# Altium PCB acs_drv_v1_0.PcbDoc
Units mm, origin at the board's own origin, x right, y up, seen from the top; angles counter-clockwise.
Board outline 93 x 87 mm, 2 copper layers (Top Layer, Bottom Layer), stack 1.57 mm thick; 149 components, 105 nets, 467 pads, 333 vias.
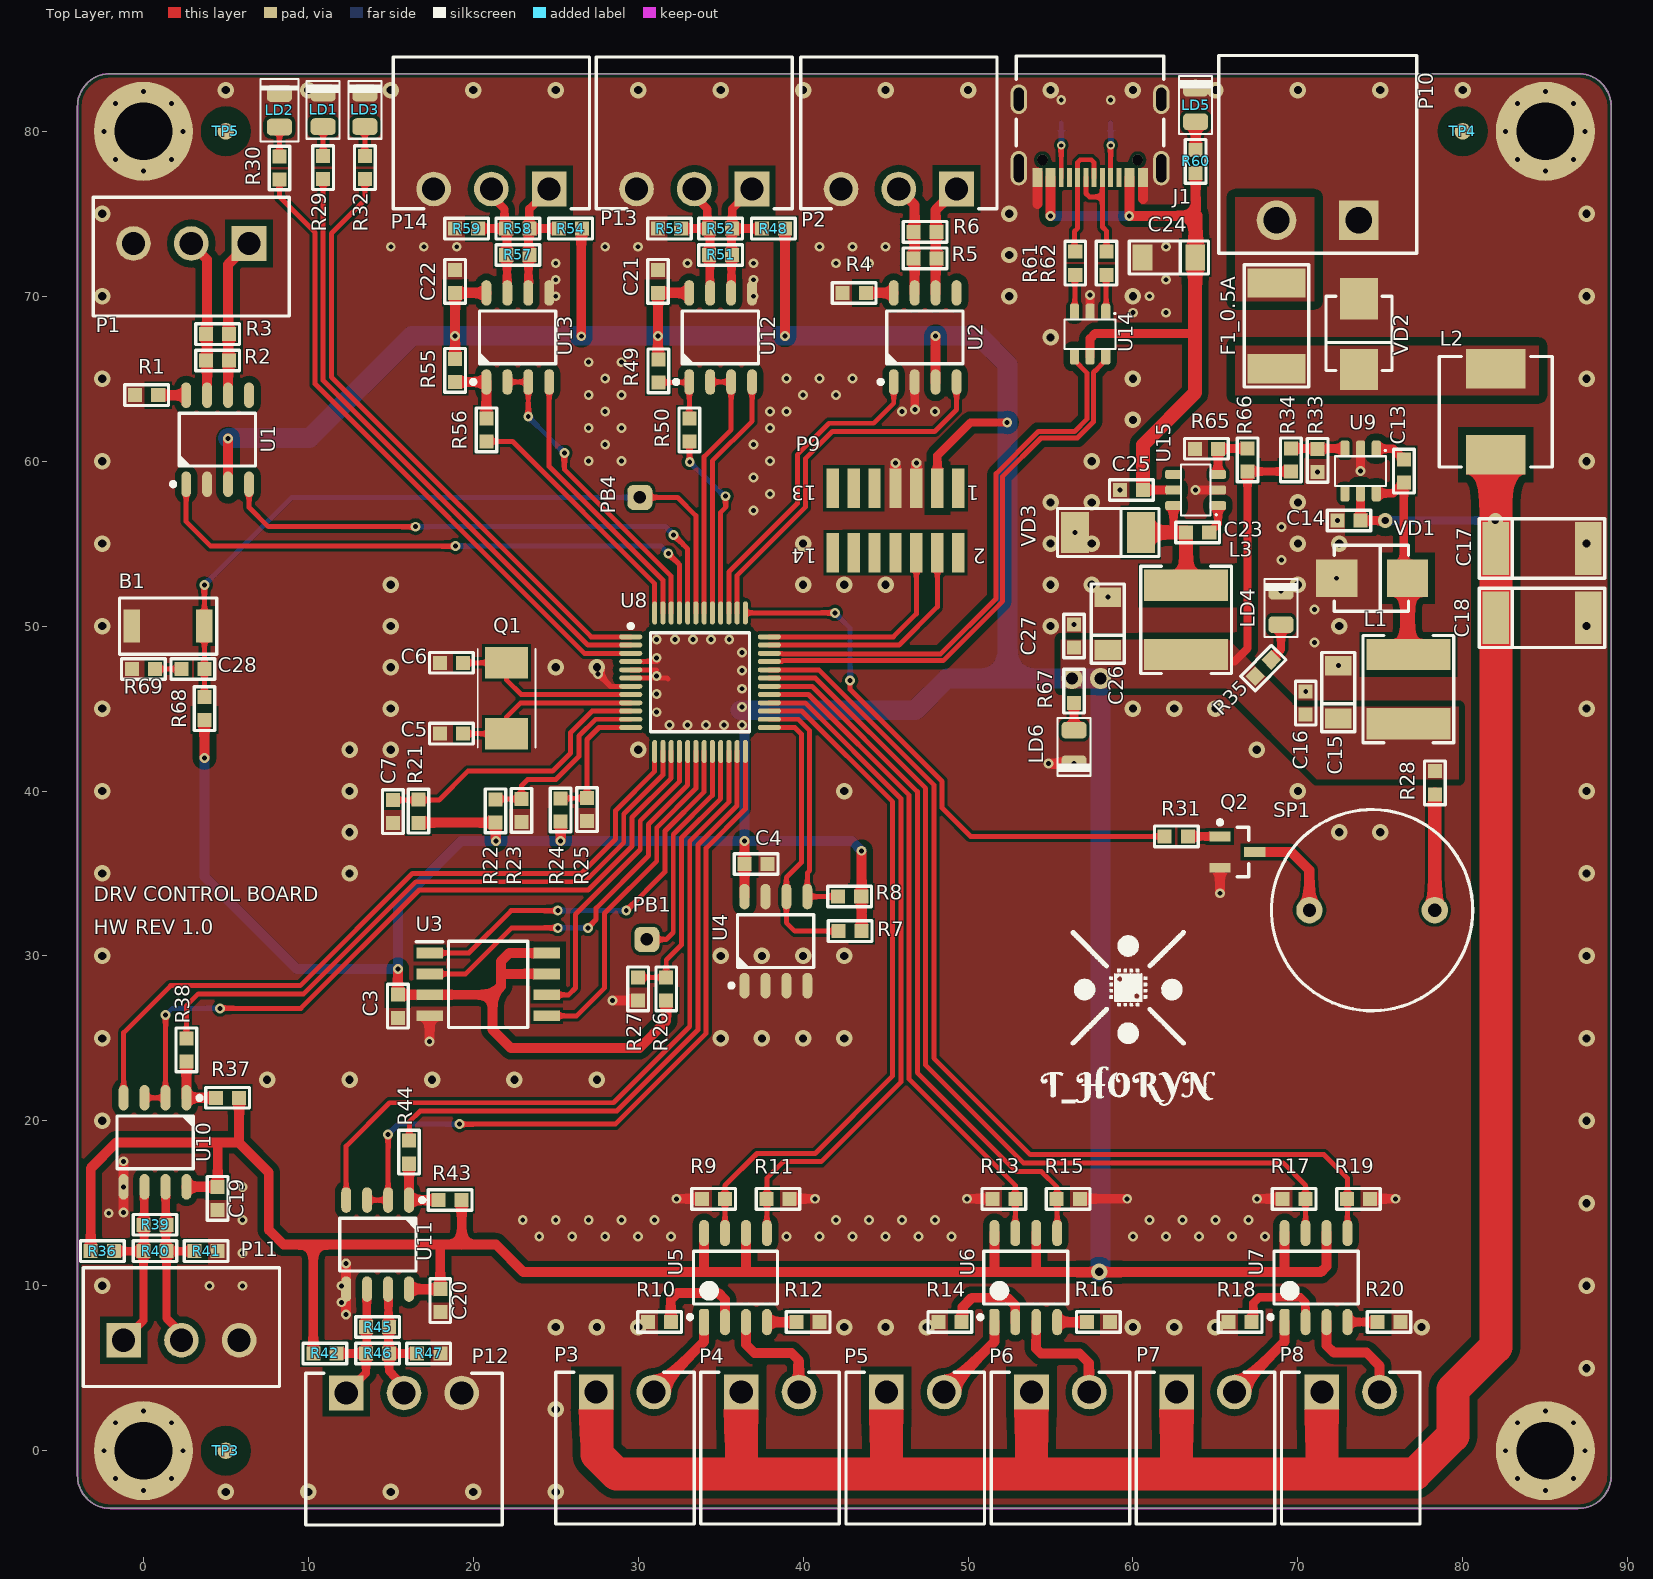
[diagram p0: Top Layer view]
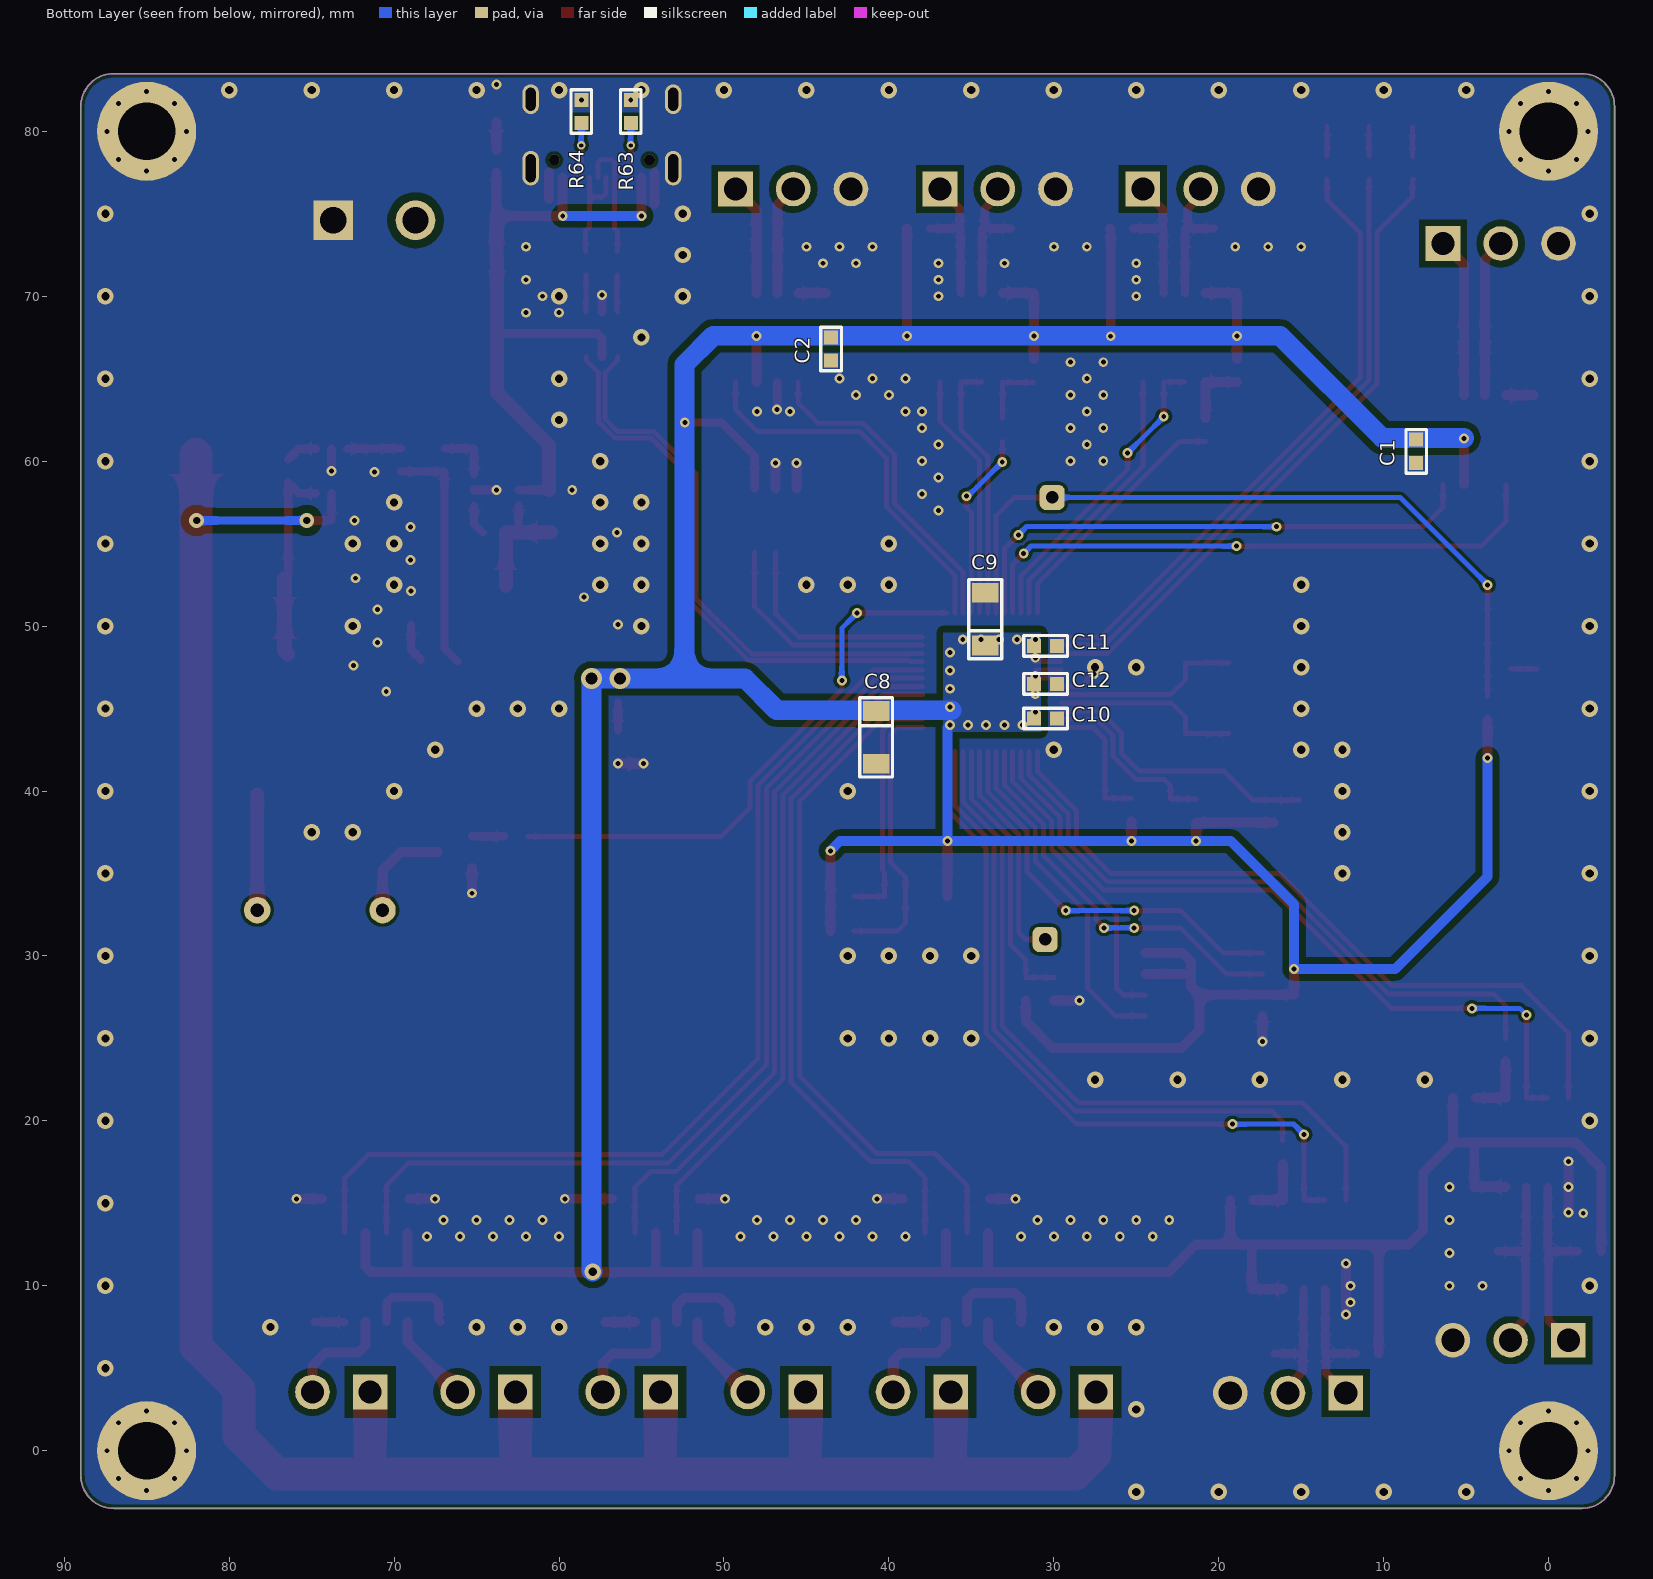
[diagram p1: Bottom Layer view, seen from below]

## Layer stack, top to bottom
Top Solder: solder mask 0.0102, Solder Resist, Dk 3.5
Top Layer: signal copper 0.0356
Dielectric2: core 1.4986, Core-043, Dk 4.3
Bottom Layer: signal copper 0.0356
Bottom Solder: solder mask 0.0102, Solder Resist, Dk 3.5

## Board outline
-4,-1.5 -4,81.5 cw(c-2,81.5) -2,83.5 87,83.5 cw(c87,81.5) 89,81.5 89,-1.5 cw(c87,-1.5) 87,-3.5 -2,-3.5 cw(c-2,-1.5)

## Design rules (kind name [scope] priority, off if disabled: settings)
Clearance Clearance_diff [InDifferentialPairClass('DIFF_USB') vs InNet('GND')] p1: gap=0.4 ignorepadtopadclearanceinfootprint=FALSE
Clearance Clearance_usb [InNet('VBUS') and InComponent('J1') or IsTrack vs InNet('GND') and InComponent('J1') or IsTrack] p2: gap=0.2 ignorepadtopadclearanceinfootprint=FALSE
Clearance Clearance_vin [InNet('NetF1_2') or InNet('VCC') or InNet('Vin') vs InNet('GND')] p3: gap=0.5 ignorepadtopadclearanceinfootprint=FALSE
Clearance Clearance_vdd_mcu [(InComponent('U8') and  InNet('+3.3') or IsTrack) vs (InNet('GND') and InComponent('U8') or IsTrack)] p4: gap=0.2 ignorepadtopadclearanceinfootprint=FALSE
Clearance Clearance_vdd [InNet('+3.3') or InNet('VBUS') or InNet('NetC13_1') or InNet('NetC13_2') or InNet('NetC23_1') or InNet('NetC23_2') vs InNet('GND')] p5: gap=0.4 ignorepadtopadclearanceinfootprint=FALSE
Clearance Clearance_can_res [InComponentClass('can_res') or InNet('CANH_can_res') or InNet('CANL_can_res') vs InNet('GND')] p6: gap=0.4 ignorepadtopadclearanceinfootprint=FALSE
Clearance Clearance_can [InComponentClass('connection') or InNet('CANH_connection') or InNet('CANL_connection') vs InNet('GND')] p7: gap=0.4 ignorepadtopadclearanceinfootprint=FALSE
Clearance Clearance_rs485_pol [InComponentClass('drv_pol') or InNet('A_drv_pol') or InNet('B_drv_pol') vs InNet('GND')] p8: gap=0.4 ignorepadtopadclearanceinfootprint=FALSE
Clearance Clearance_rs485_el [InComponentClass('drv_el') or InNet('A_drv_el') or InNet('B_drv_el') vs InNet('GND')] p9: gap=0.4 ignorepadtopadclearanceinfootprint=FALSE
Clearance Clearance_rs485_az [InComponentClass('drv_az') or InNet('A_drv_az') or InNet('B_drv_az') vs InNet('GND')] p10: gap=0.4 ignorepadtopadclearanceinfootprint=FALSE
Clearance Clearance_rs485_res [InComponentClass('rs_res') or InNet('A_rs_res') or InNet('B_rs_res') vs InNet('GND')] p11: gap=0.4 ignorepadtopadclearanceinfootprint=FALSE
Clearance Clearance_ls_az [InComponentClass('ls_az') or InNet('NetP3_2') or InNet('NetR10_1') or InNet('NetP4_2') or InNet('NetR12_1') vs InNet('GND')] p12: gap=0.4 ignorepadtopadclearanceinfootprint=FALSE
Clearance Clearance_ls_el [InComponentClass('ls_el') or InNet('NetP5_2') or InNet('NetR14_1') or InNet('NetP6_2') or InNet('NetR16_1') vs InNet('GND')] p13: gap=0.4 ignorepadtopadclearanceinfootprint=FALSE
Clearance Clearance_ls_pol [InComponentClass('ls_pol') or InNet('NetP7_2') or InNet('NetR18_1') or InNet('NetP8_2') or InNet('NetR20_1') vs InNet('GND')] p14: gap=0.4 ignorepadtopadclearanceinfootprint=FALSE
Clearance Fiducial [InNet('Fid_0') or InNet('Fid_1') or InNet('Fid_2')] p15: gap=1 ignorepadtopadclearanceinfootprint=FALSE
Clearance [All] p16: gap=0.2 ignorepadtopadclearanceinfootprint=FALSE
ComponentClearance [All] p1: gap=0.254 collisioncheckmode=3 verticalgap=0.254 showdistances=TRUE
DiffPairsRouting DiffPairsRouting_USB [InDifferentialPairClass('DIFF_USB')] p1: maxlimit=0.1 minlimit=0.1 mostfreqgap=0.1 toplayer_minwidth=0.3 toplayer_maxwidth=0.3 toplayer_prefwidth=0.3 bottomlayer_minwidth=0.3 bottomlayer_maxwidth=0.3 bottomlayer_prefwidth=0.3 maxuncoupledlength=12.7
PolygonConnect usb [InComponent('J1') vs InNet('GND')] p1: connectstyle=Direct reliefconductorwidth=0.254 reliefentries=4 polygonreliefangle="90 Angle" airgapwidth=0.254
PolygonConnect usb_conn [InComponent('P1') or InComponent('P14') or InComponent('P13') or InComponent('P2') or InComponent('P10') or InComponent('P11') or InComponent('P12') vs InNet('GND')] p2: connectstyle=Direct reliefconductorwidth=0.254 reliefentries=4 polygonreliefangle="90 Angle" airgapwidth=0.254
PolygonConnect net_vdd [InNetClass('net_vdd')] p3: connectstyle=Direct reliefconductorwidth=0.254 reliefentries=4 polygonreliefangle="90 Angle" airgapwidth=0.254
PolygonConnect net_pwr [InNetClass('net_pwr')] p4: connectstyle=Direct reliefconductorwidth=0.254 reliefentries=4 polygonreliefangle="90 Angle" airgapwidth=0.254
PolygonConnect net_via [IsVia] p5: connectstyle=Direct reliefconductorwidth=0.254 reliefentries=4 polygonreliefangle="90 Angle" airgapwidth=0.254
PolygonConnect PolygonConnect_PWR [InNet('VCC') or InNet('+3.3') or InNet('GND') or InNet('NetF1_2')] p6: connectstyle=Direct reliefconductorwidth=0.5 reliefentries=4 polygonreliefangle="90 Angle" airgapwidth=0.254
PolygonConnect [All] p7: connectstyle=Relief reliefconductorwidth=0.5 reliefentries=4 polygonreliefangle="90 Angle" airgapwidth=0.254
RoomDefinition rs_res [InComponentClass('rs_res')] p1: confinementstyle=ConfineIn formatcopy=TRUE lockcomponents=FALSE outline 14.8,60.4 27.4,60.4 27.4,84.8 14.8,84.8
RoomDefinition ls_pol [InComponentClass('ls_pol')] p2: confinementstyle=ConfineIn formatcopy=TRUE lockcomponents=FALSE outline 77.7,17.9 59.8,17.9 59.8,-4.8 77.7,-4.8
RoomDefinition ls_el [InComponentClass('ls_el')] p3: confinementstyle=ConfineIn formatcopy=TRUE lockcomponents=FALSE outline 60.1,17.9 42.2,17.9 42.2,-4.8 60.1,-4.8
RoomDefinition ls_az [InComponentClass('ls_az')] p4: confinementstyle=ConfineIn formatcopy=TRUE lockcomponents=FALSE outline 42.5,17.9 24.6,17.9 24.6,-4.8 42.5,-4.8
RoomDefinition drv_pol [InComponentClass('drv_pol')] p5: confinementstyle=ConfineIn formatcopy=TRUE lockcomponents=FALSE outline 27.1,60.4 39.7,60.4 39.7,84.8 27.1,84.8
RoomDefinition drv_el [InComponentClass('drv_el')] p6: confinementstyle=ConfineIn formatcopy=TRUE lockcomponents=FALSE outline 22.1,19.6 9.495,19.6 9.495,-4.8 22.1,-4.8
RoomDefinition drv_az [InComponentClass('drv_az')] p7: confinementstyle=ConfineIn formatcopy=TRUE lockcomponents=FALSE outline 8.605,25.8 -3.995,25.8 -3.995,3.6 8.605,3.6
RoomDefinition connection [InComponentClass('connection')] p8: confinementstyle=ConfineIn formatcopy=TRUE lockcomponents=FALSE outline 39.5,63.8 52.1,63.8 52.1,84.8 39.5,84.8
RoomDefinition can_res [InComponentClass('can_res')] p9: confinementstyle=ConfineIn formatcopy=TRUE lockcomponents=FALSE outline -3.4,57.6 9.2,57.6 9.2,76.3 -3.4,76.3
RoutingVias [All] p1: holewidth=0.3 width=0.6 viastyle="Through Hole" minholewidth=0.1 minwidth=0.2 maxholewidth=5 maxwidth=10
SolderMaskExpansion [All] p1: expansion=0.102
Width [All] p1: maxlimit=25 minlimit=0.2 preferedwidth=0.3
28 further rules are at their usual default settings.

## Classes and differential pairs
component class boot_btn: B1 C28 R68 R69
differential pair class DIFF_USB: D
channel class rs485: drv_az drv_el drv_pol rs_res
channel class limit_switch: ls_az ls_el ls_pol
channel class can: can_res connection
component class usb: C23 C24 C25 C26 C27 J1 L3 LD5 LD6 R60 R61 R62 R63 R64 R65 R66 R67 U14 U15 VD3
component class rs_res: C22 P14 R54 R55 R56 R57 R58 R59 U13
component class pwr: C13 C14 C15 C16 C17 C18 F1_0.5A L1 L2 LD4 P10 R33 R34 R35 U9 VD1 VD2
component class mcu: C5 C6 C7 C8 C9 C10 C11 C12 LD1 LD2 LD3 P9 PB1 PB4 Q1 Q2 R21 R22 R23 R24 R25 R26 R27 R28 R29 R30 R31 R32 SP1 TP3 TP4 TP5 U8
component class ls_pol: P7 P8 R17 R18 R19 R20 U7
component class ls_el: P5 P6 R13 R14 R15 R16 U6
component class ls_az: P3 P4 R9 R10 R11 R12 U5
component class flash: C3 C4 R7 R8 U3 U4
component class drv_pol: C21 P13 R48 R49 R50 R51 R52 R53 U12
component class drv_el: C20 P12 R42 R43 R44 R45 R46 R47 U11
component class drv_az: C19 P11 R36 R37 R38 R39 R40 R41 U10
component class connection: C2 P2 R4 R5 R6 U2
component class can_res: C1 P1 R1 R2 R3 U1
differential pair D: +D_P -D_N

## Components (designator, comment, footprint, x,y, rotation, side; value= is the part's Value field where it differs from the comment)
B1 "" "BUT: 3x4x2 SMT" 1.5,50 r180 top
C1 "100n" "CAP: 0603" 8.025,60.6 r90 bottom
C2 "100n" "CAP: 0603" 43.5,66.8 r90 bottom (schematic designator C1)
C3 "100n" "CAP: 0603" 15.425,26.95 r270 top (schematic designator C2)
C4 "100n" "CAP: 0603" 37.15,35.575 r0 top (schematic designator C3)
C5 "22p" "CAP: 0603" 18.675,43.475 r0 top (schematic designator C4)
C6 "22p" "CAP: 0603" 18.675,47.775 r0 top (schematic designator C5)
C7 "100n" "CAP: 0603" 15.125,38.75 r90 top (schematic designator C6)
C8 "47uF/6.3V" "CAP: TANTAL-A" 40.775,43.25 r270 bottom (schematic designator C7)
C9 "47uF/6.3V" "CAP: TANTAL-A" 34.15,50.425 r90 bottom (schematic designator C8)
C10 "100n" "CAP: 0603" 30.5,44.4 r0 bottom (schematic designator C9)
C11 "100n" "CAP: 0603" 30.5,48.8 r0 bottom (schematic designator C10)
C12 "100n" "CAP: 0603" 30.5,46.5 r0 bottom (schematic designator C11)
C13 "100n" "CAP: 0603" 76.425,59.4 r90 top (schematic designator C12)
C14 "100n" "CAP: 0603" 73.1,56.4 r0 top (schematic designator C13)
C15 "47uF/25V" "CAP: TANTAL-A" 72.45,46 r90 top (schematic designator C14)
C16 "100n" "CAP: 0603" 70.475,45.325 r270 top (schematic designator C15)
C17 "47uF/25V" "CAP: TANTAL-C" 84.8,54.7 r0 top (schematic designator C16)
C18 "47uF/25V" "CAP: TANTAL-C" 84.8,50.5 r0 top (schematic designator C17)
C19 "100n" "CAP: 0603" 4.505,15.3 r90 top (schematic designator C18)
C20 "100n" "CAP: 0603" 18,9.1 r90 top (schematic designator C18)
C21 "100n" "CAP: 0603" 31.2,70.9 r270 top (schematic designator C18)
C22 "100n" "CAP: 0603" 18.9,70.9 r270 top (schematic designator C18)
C23 "100n" "CAP: 0603" 63.925,55.675 r0 top (schematic designator C19)
C24 "47uF/25V" "CAP: TANTAL-A" 62.175,72.35 r180 top (schematic designator C20)
C25 "100n" "CAP: 0603" 59.9,58.25 r0 top (schematic designator C21)
C26 "47uF/25V" "CAP: TANTAL-A" 58.475,50.15 r90 top (schematic designator C22)
C27 "100n" "CAP: 0603" 56.425,49.4 r270 top (schematic designator C23)
C28 "100n" "CAP: 0603" 3,47.4 r0 top (schematic designator C30)
F1_0.5A "0.5A" "FUSE: 1812" 68.7,68.2 r90 top (schematic designator F1)
J1 "629722000214" 629722000214 57.4,80.8 r180 top
L1 "47uH" IND:VLS6045 76.7,46.175 r270 top
L2 "150uH" "IND: SRP7028A" 82,65.6 r270 top
L3 "15uH" IND:VLS6045 63.225,50.375 r270 top
LD1 "Led" "Led 0805-Yellow" 10.9,81.3 r90 top
LD2 "Led" "Led 0805-Green" 8.25,81.275 r90 top
LD3 "Led" "Led 0805-Red" 13.425,81.3 r90 top
LD4 "Led" "Led 0805-Red" 68.975,51.1 r90 top
LD5 "Led" "Led 0805-Red" 63.8,81.591 r90 top
LD6 "Led" "Led 0805-Red" 56.425,42.675 r270 top
P1 "3P" "CON: 3P V 3.5mm" 2.9,72.4 r0 top
P2 "3P" "CON: 3P H 3.5mm" 45.8,79.9 r180 top (schematic designator P1)
P3 "2P" "CON: 2P H 3.5mm" 29.2,0.16 r0 top (schematic designator P2)
P4 "2P" "CON: 2P H 3.5mm" 38,0.16 r0 top (schematic designator P3)
P5 "2P" "CON: 2P H 3.5mm" 46.8,0.16 r0 top (schematic designator P2)
P6 "2P" "CON: 2P H 3.5mm" 55.6,0.16 r0 top (schematic designator P3)
P7 "2P" "CON: 2P H 3.5mm" 64.4,0.16 r0 top (schematic designator P2)
P8 "2P" "CON: 2P H 3.5mm" 73.2,0.16 r0 top (schematic designator P3)
P9 "62131421021" 62131421021 45.6,56.4 r180 top (schematic designator P4)
P10 "2P" "CON: 2P H 5mm" 71.2,78.6 r180 top (schematic designator P5)
P11 "3P" "CON: 3P V 3.5mm" 2.305,7.5 r180 top (schematic designator P6)
P12 "3P" "CON: 3P H 3.5mm" 15.8,0.1 r0 top (schematic designator P6)
P13 "3P" "CON: 3P H 3.5mm" 33.4,79.9 r180 top (schematic designator P6)
P14 "3P" "CON: 3P H 3.5mm" 21.1,79.9 r180 top (schematic designator P6)
PB1 "PB1" "TP: TEST POINT DIP" 30.525,31 r0 top (schematic designator TP1)
PB4 "PB4" "TP: TEST POINT DIP" 30.1,57.8 r90 top (schematic designator TP2)
Q1 "8 MHz" ABM78000MHZD2YT 22.025,45.625 r270 top
Q2 "PDTC143XT" SOT23_N 66.325,36.3 r0 top
R1 "10K" "RES: 0603" 0.2,64 r0 top
R2 "240R" "RES: 0603" 4.5,66.1 r0 top
R3 "240R" "RES: 0603" 4.5,67.7 r0 top
R4 "10K" "RES: 0603" 43.1,70.2 r0 top (schematic designator R1)
R5 "240R" "RES: 0603" 47.4,72.3 r0 top (schematic designator R2)
R6 "240R" "RES: 0603" 47.4,73.9 r0 top (schematic designator R3)
R7 "4.7K" "RES: 0603" 42.85,31.5 r180 top (schematic designator R4)
R8 "4.7K" "RES: 0603" 42.825,33.6 r180 top (schematic designator R5)
R9 "10K" "RES: 0603" 34.575,15.275 r180 top (schematic designator R6)
R10 "2.2K" "RES: 0603" 31.3,7.8 r180 top (schematic designator R7)
R11 "10K" "RES: 0603" 38.475,15.275 r0 top (schematic designator R8)
R12 "2.2K" "RES: 0603" 40.3,7.8 r0 top (schematic designator R9)
R13 "10K" "RES: 0603" 52.175,15.275 r180 top (schematic designator R6)
R14 "2.2K" "RES: 0603" 48.9,7.8 r180 top (schematic designator R7)
R15 "10K" "RES: 0603" 56.075,15.275 r0 top (schematic designator R8)
R16 "2.2K" "RES: 0603" 57.9,7.8 r0 top (schematic designator R9)
R17 "10K" "RES: 0603" 69.775,15.275 r180 top (schematic designator R6)
R18 "2.2K" "RES: 0603" 66.5,7.8 r180 top (schematic designator R7)
R19 "10K" "RES: 0603" 73.675,15.275 r0 top (schematic designator R8)
R20 "2.2K" "RES: 0603" 75.525,7.8 r0 top (schematic designator R9)
R21 "10K" "RES: 0603" 16.675,38.775 r90 top (schematic designator R10)
R22 "10K" "RES: 0603" 21.35,38.8 r90 top (schematic designator R11)
R23 "10K" "RES: 0603" 22.925,38.825 r270 top (schematic designator R12)
R24 "10K" "RES: 0603" 25.3,38.85 r90 top (schematic designator R13)
R25 "10K" "RES: 0603" 26.9,38.875 r270 top (schematic designator R14)
R26 "10K" "RES: 0603" 31.7,28 r90 top (schematic designator R15)
R27 "10K" "RES: 0603" 30,28 r270 top (schematic designator R16)
R28 "100R" "RES: 0603" 78.3,40.5 r270 top (schematic designator R17)
R29 "510R" "RES: 0603" 10.9,77.8 r270 top (schematic designator R18)
R30 "510R" "RES: 0603" 8.25,77.775 r270 top (schematic designator R19)
R31 "33R" "RES: 0603" 62.625,37.25 r180 top (schematic designator R20)
R32 "510R" "RES: 0603" 13.425,77.8 r270 top (schematic designator R21)
R33 "10K" "RES: 0603" 71.2,60.05 r90 top (schematic designator R22)
R34 "33K" "RES: 0603" 69.575,60.075 r270 top (schematic designator R23)
R35 "1K" "RES: 0603" 67.9,47.45 r45 top (schematic designator R24)
R36 "1.6K" "RES: 0603" -2.495,12.1 r0 top (schematic designator R25)
R37 "1K" "RES: 0603" 5.105,21.4 r180 top (schematic designator R26)
R38 "100R" "RES: 0603" 2.605,24.3 r270 top (schematic designator R27)
R39 "240R" "RES: 0603" 0.705,13.7 r0 top (schematic designator R28)
R40 "240R" "RES: 0603" 0.705,12.1 r0 top (schematic designator R29)
R41 "1.6K" "RES: 0603" 3.805,12.1 r0 top (schematic designator R30)
R42 "1.6K" "RES: 0603" 11,5.9 r0 top (schematic designator R25)
R43 "1K" "RES: 0603" 18.6,15.2 r180 top (schematic designator R26)
R44 "100R" "RES: 0603" 16.1,18.1 r270 top (schematic designator R27)
R45 "240R" "RES: 0603" 14.2,7.5 r0 top (schematic designator R28)
R46 "240R" "RES: 0603" 14.2,5.9 r0 top (schematic designator R29)
R47 "1.6K" "RES: 0603" 17.3,5.9 r0 top (schematic designator R30)
R48 "1.6K" "RES: 0603" 38.2,74.1 r180 top (schematic designator R25)
R49 "1K" "RES: 0603" 31.225,65.475 r270 top (schematic designator R26)
R50 "100R" "RES: 0603" 33.1,61.9 r90 top (schematic designator R27)
R51 "240R" "RES: 0603" 35,72.5 r180 top (schematic designator R28)
R52 "240R" "RES: 0603" 35,74.1 r180 top (schematic designator R29)
R53 "1.6K" "RES: 0603" 31.9,74.1 r180 top (schematic designator R30)
R54 "1.6K" "RES: 0603" 25.9,74.1 r180 top (schematic designator R25)
R55 "1K" "RES: 0603" 18.9,65.5 r270 top (schematic designator R26)
R56 "100R" "RES: 0603" 20.8,61.9 r90 top (schematic designator R27)
R57 "240R" "RES: 0603" 22.7,72.5 r180 top (schematic designator R28)
R58 "240R" "RES: 0603" 22.7,74.1 r180 top (schematic designator R29)
R59 "1.6K" "RES: 0603" 19.6,74.1 r180 top (schematic designator R30)
R60 "1K" "RES: 0603" 63.8,78.175 r270 top
R61 "22R" "RES: 0603" 56.5,72 r90 top (schematic designator R32)
R62 "22R" "RES: 0603" 58.4,72 r90 top (schematic designator R33)
R63 "5.1K" "RES: 0603" 55.65,81.2 r90 bottom (schematic designator R34)
R64 "5.1K" "RES: 0603" 58.65,81.2 r90 bottom (schematic designator R35)
R65 "10K" "RES: 0603" 64.45,60.75 r0 top (schematic designator R36)
R66 "33K" "RES: 0603" 66.95,60.075 r270 top (schematic designator R37)
R67 "1K" "RES: 0603" 56.425,46.05 r270 top (schematic designator R38)
R68 "10K" "RES: 0603" 3.7,45 r270 top (schematic designator R45)
R69 "100R" "RES: 0603" 0,47.4 r0 top (schematic designator R46)
SP1 "" "BUZ: D12mm  P7.6mm" 74.5,32.775 r180 top
TP3 "PB1" "TP: TEST POINT SMD" 5,0 r90 top
TP4 "PB1" "TP: TEST POINT SMD" 80,80 r90 top
TP5 "PB1" "TP: TEST POINT SMD" 5,80 r90 top
U1 "MAX485ESA" 8-SOIC 4.5,61.3 r90 top
U2 "MAX485ESA" 8-SOIC 47.4,67.5 r90 top (schematic designator U1)
U3 "W25Q128" "8SIOC: W25Q128" 20.9,28.275 r0 top (schematic designator U2)
U4 "AT24C02BN" 8-SOIC 38.35,30.9 r90 top (schematic designator U3)
U5 "MOCD217" "SO-8 (MOCD217)" 35.9,10.5 r90 top (schematic designator U4)
U6 "MOCD217" "SO-8 (MOCD217)" 53.5,10.5 r90 top (schematic designator U4)
U7 "MOCD217" "SO-8 (MOCD217)" 71.1,10.5 r90 top (schematic designator U4)
U8 "STM32G0B1CBT6" 48-LQFP 33.75,46.6 r0 top value=Value (schematic designator U5)
U9 "LM14010A" SOT23-6 73.8,59.4 r180 top (schematic designator U6)
U10 "MAX485ESA" 8-SOIC 0.705,18.7 r270 top (schematic designator U7)
U11 "MAX485ESA" 8-SOIC 14.2,12.5 r270 top (schematic designator U7)
U12 "MAX485ESA" 8-SOIC 35,67.5 r90 top (schematic designator U7)
U13 "MAX485ESA" 8-SOIC 22.7,67.5 r90 top (schematic designator U7)
U14 "USBLC6-2SC6" SOT23-6 57.4,67.7 r180 top (schematic designator U8)
U15 "LM14010A" SOT23-6 63.8,58.25 r90 top (schematic designator U9)
VD1 "SS16" "DIODE: SMB" 74.5,52.9 r0 top
VD2 "SS16" "DIODE: SMB" 73.7,67.7 r270 top
VD3 "SS16" "DIODE: SMA" 58.475,55.675 r0 top
